# Altium PCB AD9361_EXT.PcbDoc (part 5 of 9) (continued)
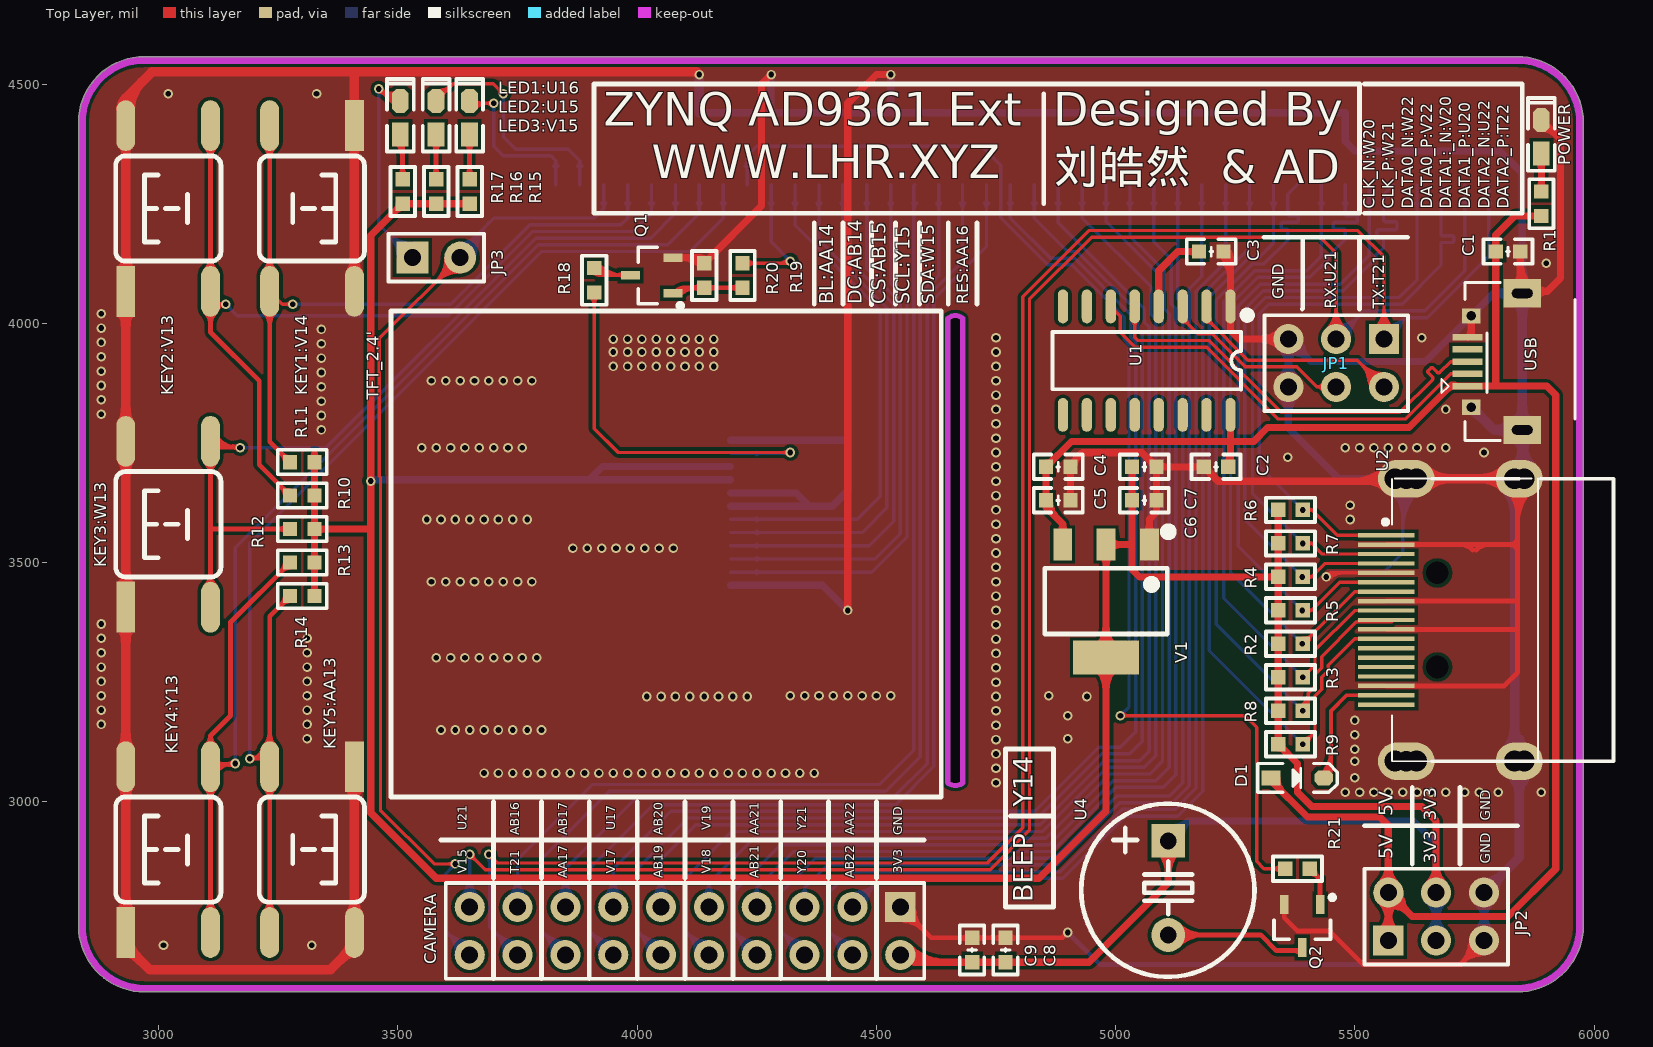
[diagram p0: Top Layer view]
## Nets (pads, with @x,y where several pads share a name; then routed paths per layer and width w, separated by ;. In a path a pad name is that pad's centre, name@x,y a point inside that pad or via, vN(x,y) a via of type N, cw(c..) or ccw(c..) an arc to the next point about the centre after c; other vN are vias at no path point) (continued)
; 5839.45,3131.65 cw(c5796,3106.57) U2.MH2@5843.02,3089.07 ; 5839.45,3131.65 cw(c5796,3106.57) U2.MH2@5843.02,3089.07 ; 5839.45,3131.65 cw(c5796,3106.57) U2.MH2@5843.02,3089.07 ; 5839.45,3628.35 ccw(c5796,3653.43) U2.MH3@5843.02,3670.93 ; 5839.45,3628.35 ccw(c5796,3653.43) U2.MH3@5843.02,3670.93 ; 5839.45,3628.35 ccw(c5796,3653.43) U2.MH3@5843.02,3670.93 ; 5839.45,3628.35 ccw(c5796,3653.43) U2.MH3@5843.02,3670.93 ; 5839.45,3628.35 ccw(c5796,3653.43) U2.MH3@5843.02,3670.93 ; 5839.45,3628.35 ccw(c5796,3653.43) U2.MH3@5843.02,3670.93 ; 5839.45,3628.35 ccw(c5796,3653.43) U2.MH3@5843.02,3670.93 ; 5839.45,3628.35 ccw(c5796,3653.43) U2.MH3@5843.02,3670.93 ; 5839.45,3628.35 ccw(c5796,3653.43) U2.MH3@5843.02,3670.93 ; 5839.45,3628.35 ccw(c5796,3653.43) U2.MH3@5843.02,3670.93 ; 5839.45,3628.35 ccw(c5796,3653.43) U2.MH3@5843.02,3670.93 ; 5839.45,3628.35 ccw(c5796,3653.43) U2.MH3@5843.02,3670.93 ; 5839.45,3628.35 ccw(c5796,3653.43) U2.MH3@5843.02,3670.93 ; 5839.45,3628.35 ccw(c5796,3653.43) U2.MH3@5843.02,3670.93 ; 5839.45,3628.35 ccw(c5796,3653.43) U2.MH3@5843.02,3670.93 ; 5839.45,3628.35 ccw(c5796,3653.43) U2.MH3@5843.02,3670.93 ; 5839.45,3628.35 ccw(c5796,3653.43) U2.MH3@5843.02,3670.93 ; 5839.45,3628.35 ccw(c5796,3653.43) U2.MH3@5843.02,3670.93 ; 5839.45,3628.35 ccw(c5796,3653.43) U2.MH3@5843.02,3670.93 ; 5839.45,3628.35 ccw(c5796,3653.43) U2.MH3@5843.02,3670.93 ; 5839.45,3628.35 ccw(c5796,3653.43) U2.MH3@5843.02,3670.93 ; U2.MH3@5839.84,3669.1 ccw(c5815.31,3693.63) U2.MH3@5850,3693.63 ; U2.MH3@5839.84,3669.1 ccw(c5815.31,3693.63) U2.MH3@5850,3693.63 ; U2.MH3@5839.84,3669.1 ccw(c5815.31,3693.63) U2.MH3@5850,3693.63 ; U2.MH3@5839.84,3669.1 ccw(c5815.31,3693.63) U2.MH3@5850,3693.63 ; U2.MH3@5839.84,3669.1 ccw(c5815.31,3693.63) U2.MH3@5850,3693.63 ; U2.MH3@5839.84,3669.1 ccw(c5815.31,3693.63) U2.MH3@5850,3693.63 ; 5840.47,3130.83 cw(c5799.91,3107.41) U2.MH2@5843.17,3089.47 ; 5840.47,3130.83 cw(c5799.91,3107.41) U2.MH2@5843.17,3089.47 ; 5840.47,3130.83 cw(c5799.91,3107.41) U2.MH2@5843.17,3089.47 ; 5840.47,3130.83 cw(c5799.91,3107.41) U2.MH2@5843.17,3089.47 ; 5840.47,3130.83 cw(c5799.91,3107.41) U2.MH2@5843.17,3089.47 ; 5840.47,3130.83 cw(c5799.91,3107.41) U2.MH2@5843.17,3089.47 ; 5840.47,3130.83 cw(c5799.91,3107.41) U2.MH2@5843.17,3089.47 ; 5840.47,3130.83 cw(c5799.91,3107.41) U2.MH2@5843.17,3089.47 ; 5840.47,3130.83 cw(c5799.91,3107.41) U2.MH2@5843.17,3089.47 ; 5840.47,3130.83 cw(c5799.91,3107.41) U2.MH2@5843.17,3089.47 ; 5840.47,3130.83 cw(c5799.91,3107.41) U2.MH2@5843.17,3089.47 ; 5840.47,3130.83 cw(c5799.91,3107.41) U2.MH2@5843.17,3089.47 ; 5840.47,3130.83 cw(c5799.91,3107.41) U2.MH2@5843.17,3089.47 ; 5840.47,3130.83 cw(c5799.91,3107.41) U2.MH2@5843.17,3089.47 ; 5840.47,3130.83 cw(c5799.91,3107.41) U2.MH2@5843.17,3089.47 ; 5840.47,3629.17 ccw(c5799.91,3652.59) U2.MH3@5843.17,3670.53 ; 5840.47,3629.17 ccw(c5799.91,3652.59) U2.MH3@5843.17,3670.53 ; 5840.47,3629.17 ccw(c5799.91,3652.59) U2.MH3@5843.17,3670.53 ; 5840.47,3629.17 ccw(c5799.91,3652.59) U2.MH3@5843.17,3670.53 ; 5840.47,3629.17 ccw(c5799.91,3652.59) U2.MH3@5843.17,3670.53 ; 5840.47,3629.17 ccw(c5799.91,3652.59) U2.MH3@5843.17,3670.53 ; 5840.47,3629.17 ccw(c5799.91,3652.59) U2.MH3@5843.17,3670.53 ; 5840.47,3629.17 ccw(c5799.91,3652.59) U2.MH3@5843.17,3670.53 ; 5840.47,3629.17 ccw(c5799.91,3652.59) U2.MH3@5843.17,3670.53 ; 5840.47,3629.17 ccw(c5799.91,3652.59) U2.MH3@5843.17,3670.53 ; 5840.47,3629.17 ccw(c5799.91,3652.59) U2.MH3@5843.17,3670.53 ; 5840.47,3629.17 ccw(c5799.91,3652.59) U2.MH3@5843.17,3670.53 ; 5840.47,3629.17 ccw(c5799.91,3652.59) U2.MH3@5843.17,3670.53 ; 5840.47,3629.17 ccw(c5799.91,3652.59) U2.MH3@5843.17,3670.53 ; 5840.47,3629.17 ccw(c5799.91,3652.59) U2.MH3@5843.17,3670.53 ; 5843.62,3013.82 cw(c5914.53,3013.82) U2.MH2@5864.39,3063.96 ; 5843.62,3013.82 cw(c5914.53,3013.82) U2.MH2@5864.39,3063.96 ; 5843.62,3013.82 cw(c5914.53,3013.82) U2.MH2@5864.39,3063.96 ; 5843.62,3013.82 cw(c5914.53,3013.82) U2.MH2@5864.39,3063.96 ; 5843.62,3013.82 cw(c5914.53,3013.82) U2.MH2@5864.39,3063.96 ; 5843.62,3013.82 cw(c5914.53,3013.82) U2.MH2@5864.39,3063.96 ; 5843.62,3031.96 cw(c5906.97,3031.96) U2.MH2@5862.18,3076.76 ; 5843.62,3031.96 cw(c5906.97,3031.96) U2.MH2@5862.18,3076.76 ; 5843.62,3031.96 cw(c5906.97,3031.96) U2.MH2@5862.18,3076.76 ; 5843.62,3031.96 cw(c5906.97,3031.96) U2.MH2@5862.18,3076.76 ; 5843.62,3031.96 cw(c5906.97,3031.96) U2.MH2@5862.18,3076.76 ; 5843.62,3031.96 cw(c5906.97,3031.96) U2.MH2@5862.18,3076.76 ; 5843.92,3714.81 ccw(c5873.19,3697.91) U2.MH3@5844,3680.87 ; 5843.92,3714.81 ccw(c5873.19,3697.91) U2.MH3@5844,3680.87 ; 5843.92,3714.81 ccw(c5873.19,3697.91) U2.MH3@5844,3680.87 ; 5843.92,3714.81 ccw(c5873.19,3697.91) U2.MH3@5844,3680.87 ; 5843.92,3714.81 ccw(c5873.19,3697.91) U2.MH3@5844,3680.87 ; 5843.92,3714.81 ccw(c5873.19,3697.91) U2.MH3@5844,3680.87 ; 5843.92,3714.81 ccw(c5873.19,3697.91) U2.MH3@5844,3680.87 ; 5843.92,3714.81 ccw(c5873.19,3697.91) U2.MH3@5844,3680.87 ; 5843.92,3714.81 ccw(c5873.19,3697.91) U2.MH3@5844,3680.87 ; 5843.92,3714.81 ccw(c5873.19,3697.91) U2.MH3@5844,3680.87 ; 5843.92,3714.81 ccw(c5873.19,3697.91) U2.MH3@5844,3680.87 ; 5843.92,3714.81 ccw(c5873.19,3697.91) U2.MH3@5844,3680.87 ; 5843.92,3714.81 ccw(c5873.19,3697.91) U2.MH3@5844,3680.87 ; 5843.92,3714.81 ccw(c5873.19,3697.91) U2.MH3@5844,3680.87 ; 5843.92,3714.81 ccw(c5873.19,3697.91) U2.MH3@5844,3680.87 ; U2.MH3@5844.18,3680.57 cw(c5876.67,3698.23) 5844.64,3716.73 ; U2.MH3@5844.18,3680.57 cw(c5876.67,3698.23) 5844.64,3716.73 ; U2.MH3@5844.18,3680.57 cw(c5876.67,3698.23) 5844.64,3716.73 ; U2.MH3@5844.18,3680.57 cw(c5876.67,3698.23) 5844.64,3716.73 ; U2.MH3@5844.18,3680.57 cw(c5876.67,3698.23) 5844.64,3716.73 ; U2.MH3@5844.18,3680.57 cw(c5876.67,3698.23) 5844.64,3716.73 ; U2.MH3@5844.18,3680.57 cw(c5876.67,3698.23) 5844.64,3716.73 ; U2.MH3@5844.18,3680.57 cw(c5876.67,3698.23) 5844.64,3716.73 ; U2.MH3@5844.18,3680.57 cw(c5876.67,3698.23) 5844.64,3716.73 ; U2.MH3@5844.18,3680.57 cw(c5876.67,3698.23) 5844.64,3716.73 ; U2.MH3@5844.18,3680.57 cw(c5876.67,3698.23) 5844.64,3716.73 ; U2.MH3@5844.18,3680.57 cw(c5876.67,3698.23) 5844.64,3716.73 ; U2.MH3@5844.18,3680.57 cw(c5876.67,3698.23) 5844.64,3716.73 ; U2.MH3@5844.18,3680.57 cw(c5876.67,3698.23) 5844.64,3716.73 ; U2.MH3@5844.18,3680.57 cw(c5876.67,3698.23) 5844.64,3716.73 ; U2.MH3@5844.18,3680.57 cw(c5876.67,3698.23) 5844.64,3716.73 ; U2.MH3@5844.18,3680.57 cw(c5876.67,3698.23) 5844.64,3716.73 ; U2.MH3@5844.18,3680.57 cw(c5876.67,3698.23) 5844.64,3716.73 ; U2.MH3@5844.18,3680.57 cw(c5876.67,3698.23) 5844.64,3716.73 ; U2.MH3@5844.18,3680.57 cw(c5876.67,3698.23) 5844.64,3716.73 ; U2.MH3@5844.18,3680.57 cw(c5876.67,3698.23) 5844.64,3716.73 ; U2.MH3@5845.12,3678.28 cw(c5863.66,3683.71) U2.MH3@5850,3697.37 ; U2.MH3@5845.12,3678.28 cw(c5863.66,3683.71) U2.MH3@5850,3697.37 ; U2.MH3@5845.12,3678.28 cw(c5863.66,3683.71) U2.MH3@5850,3697.37 ; U2.MH3@5845.12,3678.28 cw(c5863.66,3683.71) U2.MH3@5850,3697.37 ; U2.MH3@5845.12,3678.28 cw(c5863.66,3683.71) U2.MH3@5850,3697.37 ; U2.MH3@5845.12,3678.28 cw(c5863.66,3683.71) U2.MH3@5850,3697.37 ; U2.MH2@5845.55,3115.76 ccw(c5864.69,3113.95) U2.MH2@5857.99,3095.92 ; U2.MH2@5845.55,3115.76 ccw(c5864.69,3113.95) U2.MH2@5857.99,3095.92 ; U2.MH2@5845.55,3115.76 ccw(c5864.69,3113.95) U2.MH2@5857.99,3095.92 ; U2.MH2@5845.55,3115.76 ccw(c5864.69,3113.95) U2.MH2@5857.99,3095.92 ; U2.MH2@5845.55,3115.76 ccw(c5864.69,3113.95) U2.MH2@5857.99,3095.92 ; U2.MH2@5845.55,3115.76 ccw(c5864.69,3113.95) U2.MH2@5857.99,3095.92 ; U2.MH2@5845.55,3115.76 ccw(c5864.69,3113.95) U2.MH2@5857.99,3095.92 ; U2.MH2@5845.55,3115.76 ccw(c5864.69,3113.95) U2.MH2@5857.99,3095.92 ; U2.MH2@5845.55,3115.76 ccw(c5864.69,3113.95) U2.MH2@5857.99,3095.92 ; U2.MH2@5845.55,3115.76 ccw(c5864.69,3113.95) U2.MH2@5857.99,3095.92 ; U2.MH2@5845.55,3115.76 ccw(c5864.69,3113.95) U2.MH2@5857.99,3095.92 ; U2.MH2@5845.55,3115.76 ccw(c5864.69,3113.95) U2.MH2@5857.99,3095.92 ; U2.MH2@5845.55,3115.76 ccw(c5864.69,3113.95) U2.MH2@5857.99,3095.92 ; U2.MH2@5845.55,3115.76 ccw(c5864.69,3113.95) U2.MH2@5857.99,3095.92 ; U2.MH2@5845.55,3115.76 ccw(c5864.69,3113.95) U2.MH2@5857.99,3095.92 ; U2.MH2@5845.55,3115.76 ccw(c5864.69,3113.95) U2.MH2@5857.99,3095.92 ; U2.MH2@5845.55,3115.76 ccw(c5864.69,3113.95) U2.MH2@5857.99,3095.92 ; U2.MH2@5845.55,3115.76 ccw(c5864.69,3113.95) U2.MH2@5857.99,3095.92 ; U2.MH2@5845.55,3115.76 ccw(c5864.69,3113.95) U2.MH2@5857.99,3095.92 ; U2.MH2@5845.55,3115.76 ccw(c5864.69,3113.95) U2.MH2@5857.99,3095.92 ; U2.MH2@5845.55,3115.76 ccw(c5864.69,3113.95) U2.MH2@5857.99,3095.92 ; U2.MH2@5845.55,3115.76 ccw(c5864.69,3113.95) U2.MH2@5857.99,3095.92 ; U2.MH2@5845.55,3115.76 ccw(c5864.69,3113.95) U2.MH2@5857.99,3095.92 ; U2.MH2@5845.55,3115.76 ccw(c5864.69,3113.95) U2.MH2@5857.99,3095.92 ; U2.MH2@5845.55,3115.76 ccw(c5864.69,3113.95) U2.MH2@5857.99,3095.92 ; U2.MH2@5845.55,3115.76 ccw(c5864.69,3113.95) U2.MH2@5857.99,3095.92 ; U2.MH2@5845.55,3115.76 ccw(c5864.69,3113.95) U2.MH2@5857.99,3095.92 ; U2.MH2@5845.55,3115.76 ccw(c5864.69,3113.95) U2.MH2@5857.99,3095.92 ; U2.MH2@5845.55,3115.76 ccw(c5864.69,3113.95) U2.MH2@5857.99,3095.92 ; U2.MH2@5845.55,3115.76 ccw(c5864.69,3113.95) U2.MH2@5857.99,3095.92 ; U2.MH2@5845.55,3115.76 ccw(c5864.69,3113.95) U2.MH2@5857.99,3095.92 ; U2.MH2@5845.55,3115.76 ccw(c5864.69,3113.95) U2.MH2@5857.99,3095.92 ; U2.MH2@5845.55,3115.76 ccw(c5864.69,3113.95) U2.MH2@5857.99,3095.92 ; U2.MH2@5845.55,3115.76 ccw(c5864.69,3113.95) U2.MH2@5857.99,3095.92 ; U2.MH2@5845.55,3115.76 ccw(c5864.69,3113.95) U2.MH2@5857.99,3095.92 ; U2.MH3@5845.55,3644.24 cw(c5864.69,3646.05) U2.MH3@5857.99,3664.08 ; U2.MH3@5845.55,3644.24 cw(c5864.69,3646.05) U2.MH3@5857.99,3664.08 ; U2.MH3@5845.55,3644.24 cw(c5864.69,3646.05) U2.MH3@5857.99,3664.08 ; U2.MH3@5845.55,3644.24 cw(c5864.69,3646.05) U2.MH3@5857.99,3664.08 ; U2.MH3@5845.55,3644.24 cw(c5864.69,3646.05) U2.MH3@5857.99,3664.08 ; U2.MH3@5845.55,3644.24 cw(c5864.69,3646.05) U2.MH3@5857.99,3664.08 ; U2.MH3@5845.55,3644.24 cw(c5864.69,3646.05) U2.MH3@5857.99,3664.08 ; U2.MH3@5845.55,3644.24 cw(c5864.69,3646.05) U2.MH3@5857.99,3664.08 ; U2.MH3@5845.55,3644.24 cw(c5864.69,3646.05) U2.MH3@5857.99,3664.08 ; U2.MH3@5845.55,3644.24 cw(c5864.69,3646.05) U2.MH3@5857.99,3664.08 ; U2.MH3@5845.55,3644.24 cw(c5864.69,3646.05) U2.MH3@5857.99,3664.08 ; U2.MH3@5845.55,3644.24 cw(c5864.69,3646.05) U2.MH3@5857.99,3664.08 ; U2.MH3@5845.55,3644.24 cw(c5864.69,3646.05) U2.MH3@5857.99,3664.08 ; U2.MH3@5845.55,3644.24 cw(c5864.69,3646.05) U2.MH3@5857.99,3664.08 ; U2.MH3@5845.55,3644.24 cw(c5864.69,3646.05) U2.MH3@5857.99,3664.08 ; U2.MH3@5845.55,3644.24 cw(c5864.69,3646.05) U2.MH3@5857.99,3664.08 ; U2.MH3@5845.55,3644.24 cw(c5864.69,3646.05) U2.MH3@5857.99,3664.08 ; U2.MH3@5845.55,3644.24 cw(c5864.69,3646.05) U2.MH3@5857.99,3664.08 ; U2.MH3@5845.55,3644.24 cw(c5864.69,3646.05) U2.MH3@5857.99,3664.08 ; U2.MH3@5845.55,3644.24 cw(c5864.69,3646.05) U2.MH3@5857.99,3664.08 ; U2.MH3@5845.55,3644.24 cw(c5864.69,3646.05) U2.MH3@5857.99,3664.08 ; U2.MH3@5845.55,3644.24 cw(c5864.69,3646.05) U2.MH3@5857.99,3664.08 ; U2.MH3@5845.55,3644.24 cw(c5864.69,3646.05) U2.MH3@5857.99,3664.08 ; U2.MH3@5845.55,3644.24 cw(c5864.69,3646.05) U2.MH3@5857.99,3664.08 ; U2.MH3@5845.55,3644.24 cw(c5864.69,3646.05) U2.MH3@5857.99,3664.08 ; U2.MH3@5845.55,3644.24 cw(c5864.69,3646.05) U2.MH3@5857.99,3664.08 ; U2.MH3@5845.55,3644.24 cw(c5864.69,3646.05) U2.MH3@5857.99,3664.08 ; U2.MH3@5845.55,3644.24 cw(c5864.69,3646.05) U2.MH3@5857.99,3664.08 ; U2.MH3@5845.55,3644.24 cw(c5864.69,3646.05) U2.MH3@5857.99,3664.08 ; U2.MH3@5845.55,3644.24 cw(c5864.69,3646.05) U2.MH3@5857.99,3664.08 ; U2.MH3@5845.55,3644.24 cw(c5864.69,3646.05) U2.MH3@5857.99,3664.08 ; U2.MH3@5845.55,3644.24 cw(c5864.69,3646.05) U2.MH3@5857.99,3664.08 ; U2.MH3@5845.55,3644.24 cw(c5864.69,3646.05) U2.MH3@5857.99,3664.08 ; U2.MH3@5845.55,3644.24 cw(c5864.69,3646.05) U2.MH3@5857.99,3664.08 ; U2.MH3@5845.55,3644.24 cw(c5864.69,3646.05) U2.MH3@5857.99,3664.08 ; U2.MH2@5845.85,3076.61 cw(c5832.97,3063.26) U2.MH2@5849.03,3053.99 ; U2.MH2@5845.85,3076.61 cw(c5832.97,3063.26) U2.MH2@5849.03,3053.99 ; U2.MH2@5845.85,3076.61 cw(c5832.97,3063.26) U2.MH2@5849.03,3053.99 ; U2.MH2@5845.85,3076.61 cw(c5832.97,3063.26) U2.MH2@5849.03,3053.99 ; U2.MH2@5845.85,3076.61 cw(c5832.97,3063.26) U2.MH2@5849.03,3053.99 ; U2.MH2@5845.85,3076.61 cw(c5832.97,3063.26) U2.MH2@5849.03,3053.99 ; U2.MH2@5845.85,3076.61 cw(c5832.97,3063.26) U2.MH2@5849.03,3053.99 ; U2.MH2@5845.85,3076.61 cw(c5832.97,3063.26) U2.MH2@5849.03,3053.99 ; U2.MH2@5845.85,3076.61 cw(c5832.97,3063.26) U2.MH2@5849.03,3053.99 ; U2.MH2@5845.85,3076.61 cw(c5832.97,3063.26) U2.MH2@5849.03,3053.99 ; U2.MH2@5845.85,3076.61 cw(c5832.97,3063.26) U2.MH2@5849.03,3053.99 ; U2.MH2@5845.85,3076.61 cw(c5832.97,3063.26) U2.MH2@5849.03,3053.99 ; U2.MH2@5845.85,3076.61 cw(c5832.97,3063.26) U2.MH2@5849.03,3053.99 ; U2.MH2@5845.85,3076.61 cw(c5832.97,3063.26) U2.MH2@5849.03,3053.99 ; U2.MH2@5845.85,3076.61 cw(c5832.97,3063.26) U2.MH2@5849.03,3053.99 ; U2.MH2@5846.18,3076.31 cw(c5827.81,3055.74) 5851.69,3041.96 ; U2.MH2@5846.18,3076.31 cw(c5827.81,3055.74) 5851.69,3041.96 ; U2.MH2@5846.18,3076.31 cw(c5827.81,3055.74) 5851.69,3041.96 ; U2.MH2@5846.18,3076.31 cw(c5827.81,3055.74) 5851.69,3041.96 ; U2.MH2@5846.18,3076.31 cw(c5827.81,3055.74) 5851.69,3041.96 ; U2.MH2@5846.18,3076.31 cw(c5827.81,3055.74) 5851.69,3041.96 ; U2.MH2@5846.18,3076.31 cw(c5827.81,3055.74) 5851.69,3041.96 ; U2.MH2@5846.18,3076.31 cw(c5827.81,3055.74) 5851.69,3041.96 ; U2.MH2@5846.18,3076.31 cw(c5827.81,3055.74) 5851.69,3041.96 ; U2.MH2@5846.18,3076.31 cw(c5827.81,3055.74) 5851.69,3041.96 ; U2.MH2@5846.18,3076.31 cw(c5827.81,3055.74) 5851.69,3041.96 ; U2.MH2@5846.18,3076.31 cw(c5827.81,3055.74) 5851.69,3041.96 ; U2.MH2@5846.18,3076.31 cw(c5827.81,3055.74) 5851.69,3041.96 ; U2.MH2@5846.18,3076.31 cw(c5827.81,3055.74) 5851.69,3041.96 ; U2.MH2@5846.18,3076.31 cw(c5827.81,3055.74) 5851.69,3041.96 ; U2.MH2@5846.18,3076.31 cw(c5827.81,3055.74) 5851.69,3041.96 ; U2.MH2@5846.18,3076.31 cw(c5827.81,3055.74) 5851.69,3041.96 ; U2.MH2@5846.18,3076.31 cw(c5827.81,3055.74) 5851.69,3041.96 ; U2.MH2@5846.18,3076.31 cw(c5827.81,3055.74) 5851.69,3041.96 ; U2.MH2@5846.18,3076.31 cw(c5827.81,3055.74) 5851.69,3041.96 ; U2.MH2@5846.18,3076.31 cw(c5827.81,3055.74) 5851.69,3041.96 ; U2.MH3@5850,3697.37 ccw(c5862.19,3697.37) U2.MH3@5857.97,3685.93 ; U2.MH3@5850,3697.37 ccw(c5862.19,3697.37) U2.MH3@5857.97,3685.93 ; U2.MH3@5850,3697.37 ccw(c5862.19,3697.37) U2.MH3@5857.97,3685.93 ; U2.MH3@5850,3697.37 ccw(c5862.19,3697.37) U2.MH3@5857.97,3685.93 ; U2.MH3@5850,3697.37 ccw(c5862.19,3697.37) U2.MH3@5857.97,3685.93 ; U2.MH3@5850,3697.37 ccw(c5862.19,3697.37) U2.MH3@5857.97,3685.93 ; U2.MH3@5850,3697.37 USB_OTG1.5@5850,3777.28 ; U2.MH3@5850,3712.64 ccw(c5891.58,3712.64) U2.MH3@5862.18,3683.24 ; U2.MH3@5850,3712.64 ccw(c5891.58,3712.64) U2.MH3@5862.18,3683.24 ; U2.MH3@5850,3712.64 ccw(c5891.58,3712.64) U2.MH3@5862.18,3683.24 ; U2.MH3@5850,3712.64 ccw(c5891.58,3712.64) U2.MH3@5862.18,3683.24 ; U2.MH3@5850,3712.64 ccw(c5891.58,3712.64) U2.MH3@5862.18,3683.24 ; U2.MH3@5850,3712.64 ccw(c5891.58,3712.64) U2.MH3@5862.18,3683.24 ; 5850,3730.14 cw(c5897.14,3730.14) USB_OTG1.5@5863.81,3763.48 ; 5850,3730.14 cw(c5897.14,3730.14) USB_OTG1.5@5863.81,3763.48 ; 5850,3730.14 cw(c5897.14,3730.14) USB_OTG1.5@5863.81,3763.48 ; 5850,3730.14 cw(c5897.14,3730.14) USB_OTG1.5@5863.81,3763.48 ; 5850,3730.14 cw(c5897.14,3730.14) USB_OTG1.5@5863.81,3763.48 ; 5850,3730.14 cw(c5897.14,3730.14) USB_OTG1.5@5863.81,3763.48 ; USB_OTG1.5@5850,3754.55 ccw(c5932.73,3754.55) U2.MH3@5874.23,3696.04 ; USB_OTG1.5@5850,3754.55 ccw(c5932.73,3754.55) U2.MH3@5874.23,3696.04 ; USB_OTG1.5@5850,3754.55 ccw(c5932.73,3754.55) U2.MH3@5874.23,3696.04 ; USB_OTG1.5@5850,3754.55 ccw(c5932.73,3754.55) U2.MH3@5874.23,3696.04 ; USB_OTG1.5@5850,3754.55 ccw(c5932.73,3754.55) U2.MH3@5874.23,3696.04 ; USB_OTG1.5@5850,3754.55 ccw(c5932.73,3754.55) U2.MH3@5874.23,3696.04 ; 5850,3824.43 ccw(c5897.14,3824.43) USB_OTG1.5@5863.81,3791.09 ; 5850,3824.43 ccw(c5897.14,3824.43) USB_OTG1.5@5863.81,3791.09 ; 5850,3824.43 ccw(c5897.14,3824.43) USB_OTG1.5@5863.81,3791.09 ; 5850,3824.43 ccw(c5897.14,3824.43) USB_OTG1.5@5863.81,3791.09 ; 5850,3824.43 ccw(c5897.14,3824.43) USB_OTG1.5@5863.81,3791.09 ; 5850,3824.43 ccw(c5897.14,3824.43) USB_OTG1.5@5863.81,3791.09 ; 5850,4015.57 cw(c5897.14,4015.57) USB_OTG1.5@5863.81,4048.91 ; 5850,4015.57 cw(c5897.14,4015.57) USB_OTG1.5@5863.81,4048.91 ; 5850,4015.57 cw(c5897.14,4015.57) USB_OTG1.5@5863.81,4048.91 ; 5850,4015.57 cw(c5897.14,4015.57) USB_OTG1.5@5863.81,4048.91 ; 5850,4015.57 cw(c5897.14,4015.57) USB_OTG1.5@5863.81,4048.91 ; 5850,4015.57 cw(c5897.14,4015.57) USB_OTG1.5@5863.81,4048.91 ; 5850,4109.86 cw(c5802.86,4109.86) 5836.19,4076.52 ccw(c5802.86,4109.86) 5850,4109.86 ; 5850,4109.86 ccw(c5897.14,4109.86) 5863.81,4076.52 cw(c5897.14,4109.86) 5850,4109.86 ; 5854.18,3738.93 cw(c5869.7,3743.09) USB_OTG1.5@5865.25,3758.52 ; 5854.18,3738.93 cw(c5869.7,3743.09) USB_OTG1.5@5865.25,3758.52 ; 5854.18,3738.93 cw(c5869.7,3743.09) USB_OTG1.5@5865.25,3758.52 ; 5854.18,3738.93 cw(c5869.7,3743.09) USB_OTG1.5@5865.25,3758.52 ; 5854.18,3738.93 cw(c5869.7,3743.09) USB_OTG1.5@5865.25,3758.52 ; 5854.18,3738.93 cw(c5869.7,3743.09) USB_OTG1.5@5865.25,3758.52 ; 5854.18,3738.93 cw(c5869.7,3743.09) USB_OTG1.5@5865.25,3758.52 ; 5854.18,3738.93 cw(c5869.7,3743.09) USB_OTG1.5@5865.25,3758.52 ; 5854.18,3738.93 cw(c5869.7,3743.09) USB_OTG1.5@5865.25,3758.52 ; 5854.18,3738.93 cw(c5869.7,3743.09) USB_OTG1.5@5865.25,3758.52 ; 5854.18,3738.93 cw(c5869.7,3743.09) USB_OTG1.5@5865.25,3758.52 ; 5854.18,3738.93 cw(c5869.7,3743.09) USB_OTG1.5@5865.25,3758.52 ; 5854.18,3738.93 cw(c5869.7,3743.09) USB_OTG1.5@5865.25,3758.52 ; 5854.18,3738.93 cw(c5869.7,3743.09) USB_OTG1.5@5865.25,3758.52 ; 5854.18,3738.93 cw(c5869.7,3743.09) USB_OTG1.5@5865.25,3758.52 ; U2.MH2@5859.5,3091.23 cw(c5844.54,3074.48) U2.MH2@5863.99,3063.26 ; U2.MH2@5859.5,3091.23 cw(c5844.54,3074.48) U2.MH2@5863.99,3063.26 ; U2.MH2@5859.5,3091.23 cw(c5844.54,3074.48) U2.MH2@5863.99,3063.26 ; U2.MH2@5859.5,3091.23 cw(c5844.54,3074.48) U2.MH2@5863.99,3063.26 ; U2.MH2@5859.5,3091.23 cw(c5844.54,3074.48) U2.MH2@5863.99,3063.26 ; U2.MH2@5859.5,3091.23 cw(c5844.54,3074.48) U2.MH2@5863.99,3063.26 ; U2.MH2@5859.5,3091.23 cw(c5844.54,3074.48) U2.MH2@5863.99,3063.26 ; U2.MH2@5859.5,3091.23 cw(c5844.54,3074.48) U2.MH2@5863.99,3063.26 ; U2.MH2@5859.5,3091.23 cw(c5844.54,3074.48) U2.MH2@5863.99,3063.26 ; U2.MH2@5859.5,3091.23 cw(c5844.54,3074.48) U2.MH2@5863.99,3063.26 ; U2.MH2@5859.5,3091.23 cw(c5844.54,3074.48) U2.MH2@5863.99,3063.26 ; U2.MH2@5859.5,3091.23 cw(c5844.54,3074.48) U2.MH2@5863.99,3063.26 ; U2.MH2@5859.5,3091.23 cw(c5844.54,3074.48) U2.MH2@5863.99,3063.26 ; U2.MH2@5859.5,3091.23 cw(c5844.54,3074.48) U2.MH2@5863.99,3063.26 ; U2.MH2@5859.5,3091.23 cw(c5844.54,3074.48) U2.MH2@5863.99,3063.26 ; U2.MH2@5859.5,3091.23 cw(c5844.54,3074.48) U2.MH2@5863.99,3063.26 ; U2.MH2@5859.5,3091.23 cw(c5844.54,3074.48) U2.MH2@5863.99,3063.26 ; U2.MH2@5859.5,3091.23 cw(c5844.54,3074.48) U2.MH2@5863.99,3063.26 ; U2.MH2@5859.5,3091.23 cw(c5844.54,3074.48) U2.MH2@5863.99,3063.26 ; U2.MH2@5859.5,3091.23 cw(c5844.54,3074.48) U2.MH2@5863.99,3063.26 ; U2.MH2@5859.5,3091.23 cw(c5844.54,3074.48) U2.MH2@5863.99,3063.26 ; U2.MH2@5825.14,3084.72 ccw(c5825.14,3113.8) 5845.7,3093.24 cw(c5825.14,3113.8) U2.MH2@5825.14,3084.72 ; U2.MH2@5826.47,3084.72 cw(c5826.47,3057.53) 5845.7,3076.76 ccw(c5826.47,3057.53) U2.MH2@5826.47,3084.72
  other v1: 3010,2700 3320,2700 5480,3020 5510,3020 5540,3020 5570,3020 5600,3020 5630,3020 5660,3020 5690,3020 5730,3020 5760,3020 5800,3020 5889.74,3020 4750,3040 5500,3050 3680,3060 3710,3060 3740,3060 3770,3060 3800,3060 3830,3060 3860,3060 3890,3060 3920,3060 3950,3060 3980,3060 4010,3060 4040,3060 4070,3060 4100,3060 4130,3060 4160,3060 4190,3060 4220,3060 4250,3060 4280,3060 4310,3060 4340,3060 4370,3060 4750,3070 5500,3084.72 4750,3100 5500,3110 4750,3130 3310,3131.57 4900,3131.57 5500,3140 3590,3150 3620,3150 3650,3150 3680,3150 3710,3150 3740,3150 3770,3150 3800,3150 4750,3160 2880,3161.57 3310,3161.57 5500,3170 4900,3180 4750,3190 2880,3191.57 3310,3191.57 4020,3220 4050,3220 4080,3220 4110,3220 4140,3220 4170,3220 4200,3220 4230,3220 4750,3220 4940,3220 2880,3221.57 3310,3221.57 4320,3221.57 4350,3221.57 4380,3221.57 4410,3221.57 4440,3221.57 4470,3221.57 4500,3221.57 4530,3221.57 4860,3221.57 4750,3250 2880,3251.57 3310,3251.57 4750,3280 2880,3281.57 3310,3281.57 3580,3301.26 3610,3301.26 3640,3301.26 3670,3301.26 3700,3301.26 3730,3301.26 3760,3301.26 3790,3301.26 4750,3310 2880,3311.57 3310,3311.57 4750,3340 2880,3341.57 3310,3341.57 4750,3370 2880,3371.57 4750,3400 4750,3430 3570,3460 3600,3460 3630,3460 3660,3460 3690,3460 3720,3460 3750,3460 3780,3460 4750,3460 4750,3490 4750,3520 3865.71,3530 3895.71,3530 3925.71,3530 3955.71,3530 3985.71,3530 4015.71,3530 4045.71,3530 4075.71,3530 4750,3550 4750,3580 3560,3590 3590,3590 3620,3590 3650,3590 3680,3590 3710,3590 3740,3590 3770,3590 5490,3590 4750,3610 5490,3620 4750,3640 4750,3670 4750,3700 5360,3720 4750,3730 5770,3730 3550,3740 3580,3740 3610,3740 3640,3740 3670,3740 3700,3740 3730,3740 3760,3740 5480,3740 5510,3740 5540,3740 5570,3740 5600,3740 5630,3740 5660,3740 5690,3740 4750,3760 3340,3777.28 4750,3790 3340,3807.28 2880,3810 4750,3820 5690,3820 3340,3837.28 2880,3840 4750,3850 3340,3867.28 2880,3870 3570,3880 3600,3880 3630,3880 3660,3880 3690,3880 3720,3880 3750,3880 3780,3880 4750,3880 3340,3897.28 2880,3900 3950,3910 3980,3910 4010,3910 4040,3910 4070,3910 4100,3910 4130,3910 4160,3910 4750,3910 3340,3927.28 2880,3930 3950,3940 3980,3940 4010,3940 4040,3940 4070,3940 4100,3940 4130,3940 4160,3940 4750,3940 3340,3957.28 2880,3960 3950,3967 3980,3967 4010,3967 4040,3967 4070,3967 4100,3967 4130,3967 4160,3967 4750,3970 5640,3970 3340,3987.28 2880,3990 2880,4020 5900,4125.59 3020,4480 3330,4480
HDMI_CLK_N: P1.62 R9.1 U2.12 | length 2263.6
  Top Layer w7: v1(5391.18,3120) 5416.68,3145.5 5416.68,3220.86 5430.68,3234.86 5430.68,3259.91 5444.68,3273.91 5444.68,3285.31 5500,3340.63 U2.12@5566.06,3340.63 ; R9.1@5390.69,3120.1 cw(c5401.42,3117.9) R9.1@5398.59,3128.48 ; R9.1@5390.69,3120.1 cw(c5401.42,3117.9) R9.1@5398.59,3128.48 ; R9.1@5390.69,3120.1 cw(c5401.42,3117.9) R9.1@5398.59,3128.48 ; R9.1@5390.69,3120.1 cw(c5401.42,3117.9) R9.1@5398.59,3128.48 ; R9.1@5390.69,3120.1 cw(c5401.42,3117.9) R9.1@5398.59,3128.48 ; R9.1@5390.69,3120.1 cw(c5401.42,3117.9) R9.1@5398.59,3128.48 ; R9.1@5391.18,3126.5 ccw(c5391.18,3142.18) R9.1@5402.27,3131.09 ; R9.1@5391.18,3126.5 ccw(c5391.18,3142.18) R9.1@5402.27,3131.09 ; R9.1@5391.18,3126.5 ccw(c5391.18,3142.18) R9.1@5402.27,3131.09 ; R9.1@5391.18,3126.5 ccw(c5391.18,3142.18) R9.1@5402.27,3131.09 ; R9.1@5391.18,3131.5 ccw(c5391.18,3159.27) 5410.81,3139.63 ; R9.1@5391.18,3131.5 ccw(c5391.18,3159.27) 5410.81,3139.63 ; R9.1@5391.18,3131.5 ccw(c5391.18,3159.27) 5410.81,3139.63 ; R9.1@5391.18,3131.5 ccw(c5391.18,3159.27) 5410.81,3139.63 ; R9.1@5391.28,3119.51 ccw(c5389.08,3130.25) R9.1@5399.67,3127.41 ; R9.1@5391.28,3119.51 ccw(c5389.08,3130.25) R9.1@5399.67,3127.41 ; R9.1@5391.28,3119.51 ccw(c5389.08,3130.25) R9.1@5399.67,3127.41 ; R9.1@5391.28,3119.51 ccw(c5389.08,3130.25) R9.1@5399.67,3127.41 ; R9.1@5391.28,3119.51 ccw(c5389.08,3130.25) R9.1@5399.67,3127.41 ; R9.1@5391.28,3119.51 ccw(c5389.08,3130.25) R9.1@5399.67,3127.41 ; R9.1@5397.68,3120 cw(c5413.38,3120) R9.1@5402.28,3131.1 ; R9.1@5397.68,3120 cw(c5413.38,3120) R9.1@5402.28,3131.1 ; R9.1@5397.68,3120 cw(c5413.38,3120) R9.1@5402.28,3131.1 ; R9.1@5397.68,3120 cw(c5413.38,3120) R9.1@5402.28,3131.1 ; R9.1@5402.68,3120 cw(c5430.44,3120) 5410.81,3139.63 ; R9.1@5402.68,3120 cw(c5430.44,3120) 5410.81,3139.63 ; R9.1@5402.68,3120 cw(c5430.44,3120) 5410.81,3139.63 ; R9.1@5402.68,3120 cw(c5430.44,3120) 5410.81,3139.63
  Bottom Layer w7: P1.62@5330,4290 5330,4167.9 5300.1,4138 5279.41,4138 5196,4054.59 5196,3315.18 v1(5391.18,3120) ; P1.62@5325.52,4251.66 cw(c5314.69,4240.83) 5330,4240.83 ; P1.62@5325.52,4251.66 cw(c5314.69,4240.83) 5330,4240.83 ; P1.62@5325.52,4251.66 cw(c5314.69,4240.83) 5330,4240.83 ; P1.62@5325.52,4251.66 cw(c5314.69,4240.83) 5330,4240.83 ; 5330,4240.83 cw(c5345.31,4240.83) P1.62@5334.48,4251.66 ; 5330,4240.83 cw(c5345.31,4240.83) P1.62@5334.48,4251.66 ; 5330,4240.83 cw(c5345.31,4240.83) P1.62@5334.48,4251.66 ; 5330,4240.83 cw(c5345.31,4240.83) P1.62@5334.48,4251.66 ; 5380.09,3131.1 cw(c5368.99,3120) v1@5384.68,3120 ; 5380.08,3131.1 ccw(c5391.18,3142.19) v1@5391.18,3126.5 ; 5380.09,3131.1 cw(c5368.99,3120) v1@5384.68,3120 ; 5380.08,3131.1 ccw(c5391.18,3142.19) v1@5391.18,3126.5 ; 5380.09,3131.1 cw(c5368.99,3120) v1@5384.68,3120 ; 5380.08,3131.1 ccw(c5391.18,3142.19) v1@5391.18,3126.5 ; 5380.09,3131.1 cw(c5368.99,3120) v1@5384.68,3120 ; 5380.08,3131.1 ccw(c5391.18,3142.19) v1@5391.18,3126.5